# Allegro board LAY-28163.brd (continued)
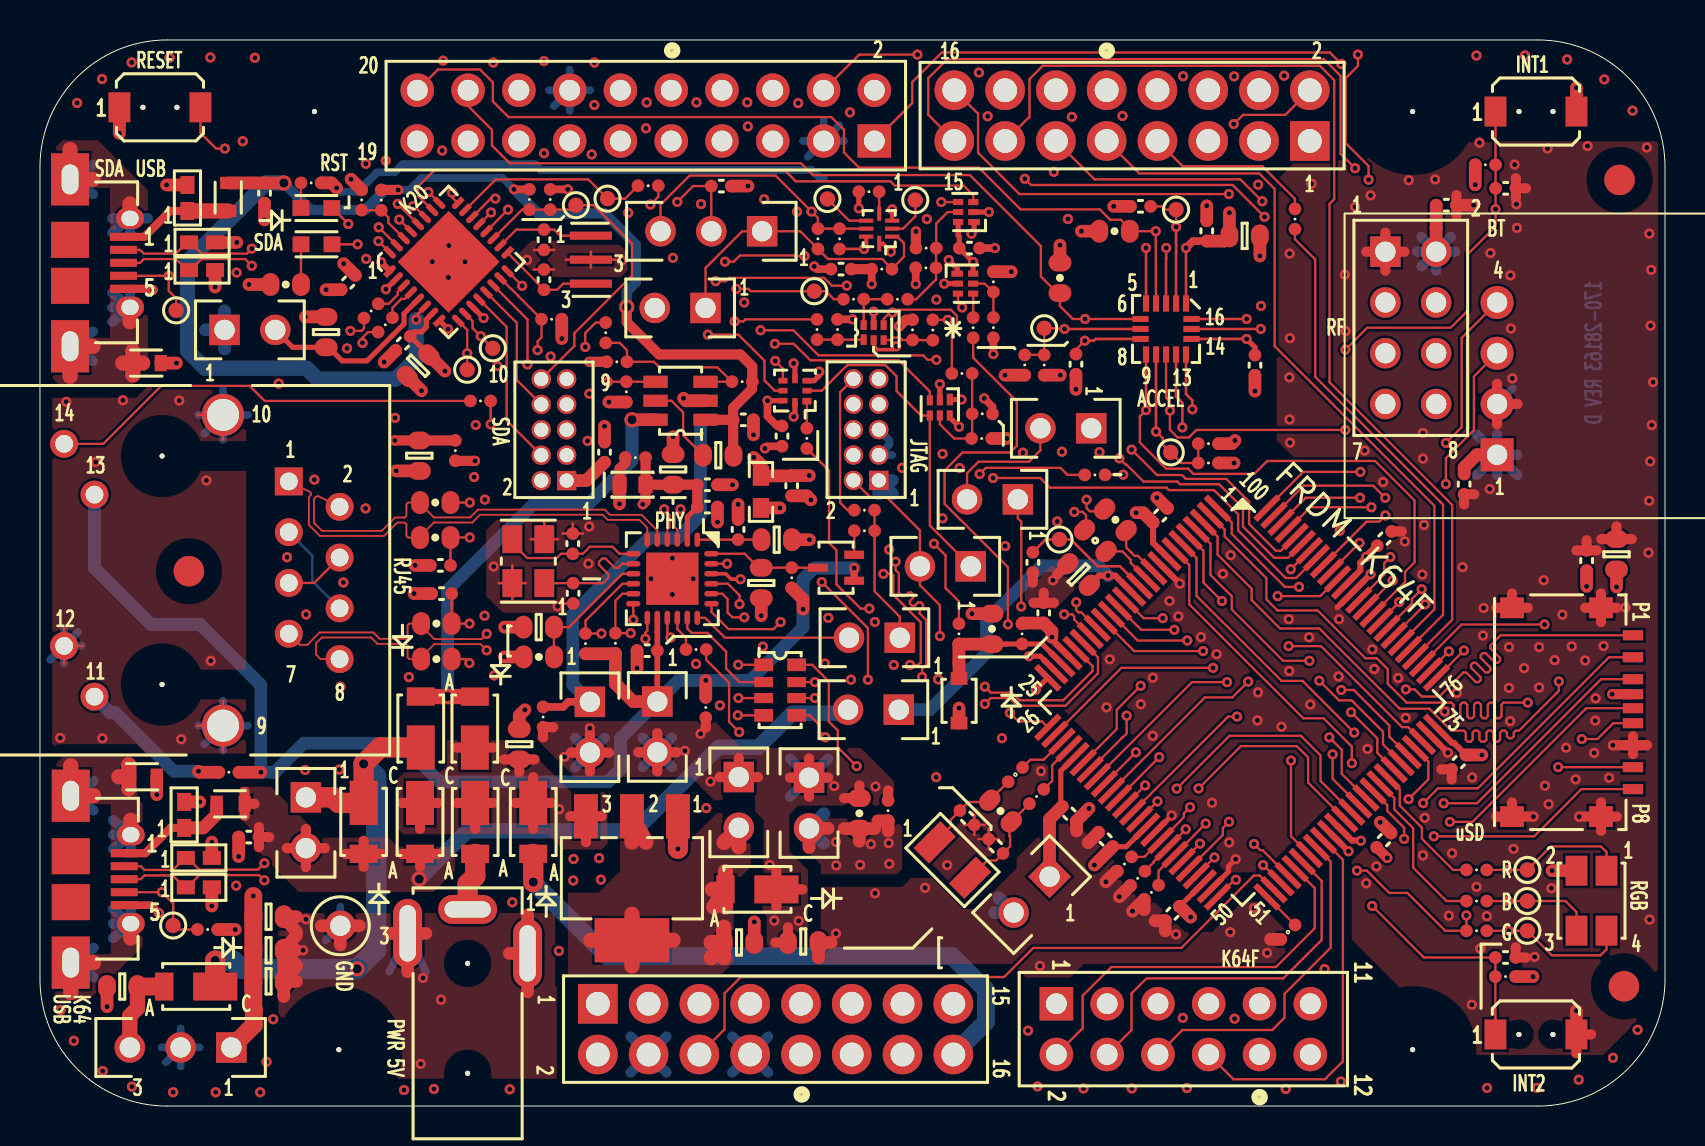
[diagram p0: board, top side]
## Footprints (pads in the part's own frame, mm; a bottom-side part is the same pattern mirrored in y, then rotated) (continued)
  rect 0.305x1.651 smd: 26(-6,-7.75) 27(-5.5,-7.75) 28(-5,-7.75) 29(-4.5,-7.75) 30(-4,-7.75) 31(-3.5,-7.75) 32(-3,-7.75) 33(-2.5,-7.75) 34(-2,-7.75) 35(-1.5,-7.75) 36(-1,-7.75) 37(-0.5,-7.75) 38(0,-7.75) 39(0.5,-7.75) 40(1,-7.75) 41(1.5,-7.75) 42(2,-7.75) 43(2.5,-7.75) 44(3,-7.75) 45(3.5,-7.75) 46(4,-7.75) 47(4.5,-7.75) 48(5,-7.75) 49(5.5,-7.75) 50(6,-7.75) 76(6,7.75) 77(5.5,7.75) 78(5,7.75) 79(4.5,7.75) 80(4,7.75) 81(3.5,7.75) 82(3,7.75) 83(2.5,7.75) 84(2,7.75) 85(1.5,7.75) 86(1,7.75) 87(0.5,7.75) 88(0,7.75) 89(-0.5,7.75) 90(-1,7.75) 91(-1.5,7.75) 92(-2,7.75) 93(-2.5,7.75) 94(-3,7.75) 95(-3.5,7.75) 96(-4,7.75) 97(-4.5,7.75) 98(-5,7.75) 99(-5.5,7.75) 100(-6,7.75)
POWERDI-123_3MMX2MM
  rect 0.914x1.397 smd: A(1.7,0)
  rect 2.21x1.397 smd: C(-0.85,0)
QFN5X3_0P5_3X3
  rect 0.813x0.305 smd: 1(-1.275,1) 2(-1.275,0.5) 3(-1.275,0) 4(-1.275,-0.5) 5(-1.275,-1) 9(1.275,-1) 10(1.275,-0.5) 11(1.275,0) 12(1.275,0.5) 13(1.275,1)
  rect 0.305x0.813 smd: 6(-0.5,-1.275) 7(0,-1.275) 8(0.5,-1.275) 14(0.5,1.275) 15(0,1.275) 16(-0.5,1.275)
QFN8_1P6X1P6MM
  rect 0.457x0.33 smd: 1(-0.6,0.525)
  rect 0.457x0.279 smd: 2(-0.6,0) 3(-0.6,-0.5) 5(0.6,-0.5) 6(0.6,0) 7(0.6,0.5)
  rect 0.279x0.457 smd: 4(0,-0.6) 8(0,0.6)
QFN24_4X4MM_SLUG
  oval 0.279x0.711 smd: 1(-1.25,-1.956) 2(-0.75,-1.956) 3(-0.25,-1.956) 4(0.25,-1.956) 5(0.75,-1.956) 6(1.25,-1.956) 13(1.25,1.956) 14(0.75,1.956) 15(0.25,1.956) 16(-0.25,1.956) 17(-0.75,1.956) 18(-1.25,1.956)
  oval 0.711x0.279 smd: 7(1.956,-1.25) 8(1.956,-0.75) 9(1.956,-0.25) 10(1.956,0.25) 11(1.956,0.75) 12(1.956,1.25) 19(-1.956,1.25) 20(-1.956,0.75) 21(-1.956,0.25) 22(-1.956,-0.25) 23(-1.956,-0.75) 24(-1.956,-1.25)
  rect 2.616x2.616 smd: 25(0,0)
QFN32_S142EP
  custom 0.711x0.279 smd: 1(-2.4,1.751) 2(-2.4,1.251) 3(-2.4,0.751) 4(-2.4,0.25) 5(-2.4,-0.25) 6(-2.4,-0.751) 7(-2.4,-1.251) 8(-2.4,-1.751) 17(2.4,-1.751) 18(2.4,-1.251) 19(2.4,-0.751) 20(2.4,-0.25) 21(2.4,0.25) 22(2.4,0.751) 23(2.4,1.251) 24(2.4,1.751)
  custom 0.279x0.711 smd: 9(-1.751,-2.4) 10(-1.251,-2.4) 11(-0.751,-2.4) 12(-0.25,-2.4) 13(0.25,-2.4) 14(0.751,-2.4) 15(1.251,-2.4) 16(1.751,-2.4) 25(1.751,2.4) 26(1.251,2.4) 27(0.751,2.4) 28(0.25,2.4) 29(-0.25,2.4) 30(-0.751,2.4) 31(-1.251,2.4) 32(-1.751,2.4)
  rect 3.607x3.607 smd: 33(0,0)
RC0402_25
  round 0.635 smd: 1(-0.508,0) 2(0.508,0)
RC0603_OV
  oval 0.889x1.143 smd: 1(-0.762,0) 2(0.762,0)
RNET_38V_0603
  rect 0.94x0.635 smd: 1(-0.825,1.263) 4(-0.825,-1.263) 5(0.825,-1.263) 8(0.825,1.263)
  rect 0.94x0.508 smd: 2(-0.825,0.4) 3(-0.825,-0.4) 6(0.825,-0.4) 7(0.825,0.4)
SH0603
  rect 0.991x0.813 smd: 1(-0.8,0) 2(0.8,0)
SH_HDR102_BOTTOM
  rect 1.524x1.524 hole 1.016: 1(0,0)
  round 1.524 hole 1.016: 2(0,-2.54)
SOD-323-A
  rect 0.635x0.838 smd: A(1.115,0) C(-1.115,0)
SOT23-6_A
  rect 1.219x0.61 smd: 1(-1.25,0.95) 2(-1.25,0) 3(-1.25,-0.95) 4(1.25,-0.95) 5(1.25,0) 6(1.25,0.95)
SOT223
  rect 1.194x2.21 smd: 1(-2.3,-3.1) 2(0,-3.1) 3(2.3,-3.1)
  rect 3.734x2.21 smd: 4(0,3.1)
SOT323_3P
  rect 0.406x0.991 smd: 1(-0.65,-0.907) 2(0.65,-0.907) 3(0,0.907)
SW2_4X3MM_SM
  round 0.254 hole 0.711 unplated: (-0.85,0) (0.85,0)
  rect 1.092x1.499 smd: 1(-2.025,0) 2(2.025,0)
TEST_LOOP
  round 1.524 hole 1.016: 1(0,0)
TPAD_030
  round 0.762 smd: 1(0,0)
UDFN6_1X1P5MM
  rect 0.584x0.305 smd: 1(-0.418,0.5)
  rect 0.508x0.305 smd: 2(-0.38,0) 3(-0.38,-0.5) 4(0.38,-0.5) 5(0.38,0) 6(0.38,0.5)
ULLGA6_1P45X1_0P5MM
  rect 0.533x0.305 smd: 1(-0.355,0.5)
  rect 0.483x0.305 smd: 2(-0.375,0) 3(-0.375,-0.5) 4(0.375,-0.5) 5(0.375,0) 6(0.375,0.5)
unnamed#2
  round 1.524 smd: (0,0)
unnamed#3
  round 0.254 hole 3.175 unplated: (0,0)
XQFN8_1P45X1P25MM
  rect 0.787x0.203 smd: 1(-0.75,0)
  rect 0.203x0.711 smd: 2(-0.4,-0.65) 3(0,-0.65) 4(0.4,-0.65) 6(0.4,0.65) 7(0,0.65) 8(-0.4,0.65)
  rect 0.711x0.203 smd: 5(0.75,0)
XTAL2-3P2X1P5-SM
  rect 1.092x1.905 smd: 1(-1.25,0) 2(1.25,0)
XTAL3_3P35X1P45_SM
  rect 0.406x2.108 smd: 1(1.2,0) 2(0,0) 3(-1.2,0)
XTAL4_3P4X2P7
  rect 1.397x0.991 smd: 1(-1.1,-0.8) 2(1.1,-0.8) 3(1.1,0.8) 4(-1.1,0.8)

## Nets
GND: C1.2 C2.2 C3.2 C4.2 C5.2 C6.2 C7.2 C8.2 C9.2 C10.2 C11.2 C12.2 C13.2 C14.2 C15.2 C16.2 C17.2 C18.2 C20.2 C21.2 C22.2 C23.2 C24.2 C25.2 C26.2 C27.2 C28.2 C29.2 C30.2 C31.2 C32.2 C33.2 C34.2 C35.2 C36.2 C37.2 C38.2 C39.2 C40.2 C41.2 C42.2 C43.2 C44.2 C45.2 C46.2 C47.2 C48.2 C49.2 C50.2 C51.2 C52.2 C53.2 C54.2 C55.2 C56.2 C57.2 C58.2 C59.2 D4.A(ANODE) J2.3 J2.14 J3.12 J3.14 J6.1(A1) J9.3(A2) J9.5(A3) J10.3(A2) J10.5(A3) J13.9(SH1) J13.10(SH2) J13.12(L2) J15.P6(VSS) J15.S1 J15.S2 J15.S3 J15.S4 J22.5(P5) J24.2 J24.3 J26.5(P5) J27.2 J199.2 L2.2 L4.2 R6.2 R7.2 R13.2 R16.2 R30.2 R31.2 R39.2 R43.2 R58.2 R67.2 R69.2 R70.2 R72.2 R74.2 SW1.1(SW1) SW2.2(SW2) SW3.2(SW2) TP16.1(PIN1) U1.2(A2) U2.2(GND) U3.4(GND) U4.2(A2) U5.2(VSS1) U5.8(VSSA) U5.33(EPAD) U6.2(A2) U7.2(GND) U8.3(RSVD1) U8.5(GND1) U8.12(GND2) U8.13(RSVD2) U8.16(RST) U9.2(GND) U10.3(DIR) U10.4(GND) U11.2(GND) U12.2(GND) U13.22(GND1) U13.25(GND2) U14.9(VSS1) U14.24(VREFL) U14.25(VSSA) U14.41(VSS2) U14.49(VSS3) U14.60(VSS4) U14.74(VSS5) U14.88(VSS6) U15.2(A2) U16.2(A2) U17.1(GND) U18.2(A2) Y1.2 Y2.2 Y2.4
P3V3: C4.1 C5.1 C14.1 C30.1 C32.1 C40.1 C57.1 C58.1 D11.C D12.2(COMMON_A) J3.4 J3.8 J6.2(B1) J15.P4(VDD) J17.2 J18.2 J19.1 J20.1 J199.1 L3.1 R1.1 R9.1 R15.1 R32.1 R40.1 R42.1 R60.1 R61.1 R64.1 R66.1 R75.1 SH1.2 U8.1(VDDIO) U8.14(VDD)
P3V3_K64F: C25.1 C27.1 C37.1 C42.1 C46.1 C47.1 C49.1 J9.1(A1) J20.2 J23.2 R52.1 R54.1 R64.2 R66.2 U14.8(VDD1) U14.22(VDDA) U14.40(VDD2) U14.48(VDD3) U14.61(VDD4) U14.75(VDD5) U14.89(VDD6)
P3V3_SDA: C8.1 C10.1 C12.1 C15.1 C17.1 C18.1 J7.1 J10.1(A1) J18.1 R4.2 R12.1 R14.1 R17.1 R21.1 R23.1 R26.1 R27.2 R35.1 R37.1 R61.2 U2.1(VCCA) U3.1(VCCA) U5.1(VDD1) U5.7(VDDA) U5.11(VBAT) U7.1(VCCA) U9.5(VCC) U10.7(VCCA) U12.1(VCCA)
P3V3_VREG: C51.1 D11.A J19.2 U17.2(VOUT) U17.4(TAB)
P5V0_SDA_USB_CONN_VBUS: J26.1(P1) L1.1 U1.1(A1)
P5V0_USB_CONN_VBUS: J22.1(P1) L5.1 U15.1(A1)
P5V_K64_USB: C45.1 D7.A D8.A J16.2 J21.2 L5.2
P5V_OPT_VR: C53.1 D13.A J27.3
P5V_SDA: C1.1 C16.1 C19.1 L1.2 R5.1 R8.1 R34.1 U5.6(VREGIN) U11.1(VIN)
P5V_SDA_PSW: D5.A D6.A U11.6(VOUT)
P5V_USB: D5.C D7.C D13.C J3.10 J21.1
VBAT: C43.1 J23.1 U14.30(VBAT)
VDDA_ENET: C21.1 C22.1 C24.1 L3.2 R41.1 R42.2 U13.2(VDDA_3V3)
VDDIO_ENET: C39.1 D3.1(CATHODE1) J13.13(L3) J17.1 R50.1 R55.1 R56.1 R60.2 R76.1 U13.14(VDDIO)
VDDPLL_1.2V: C26.1 C28.1 U13.1(VDD_1V2)
ADC0_DM0/ADC1_DM3: J2.7 U14.19(ADC0_DM0/ADC1_DM3)
ADC0_DM1: J4.3(A2) U14.15(ADC0_DM1)
ADC0_DP0/AD1_DP3: J2.5 U14.18(ADC0_DP0/ADC1_DP3)
ADC0_DP1: J4.1(A1) U14.14(ADC0_DP1)
ADC1_DM0/ADC0_DM3: J2.13 U14.21(ADC1_DM0/ADC0_DM3)
ADC1_DM1: J4.7(A4) U14.17(ADC1_DM1)
ADC1_DP0/ADC0_DP3: J2.11 U14.20(ADC1_DP0/ADC0_DP3)
ADC1_DP1: J4.5(A3) U14.16(ADC1_DP1)
ADC1_SE18: J2.17 U14.26(VREF_OUT/CMP1_IN5/CMP0_IN5/ADC1)
AREF: J2.16 R53.2
CPU_PER_1_RST_B: J14.1 R45.2 R47.1
CRS_DV: RN1.1(PIN1) U13.15(CRS_RV/PHYAD1/PHYAD0)
DAC0_OUT: J4.11(A6) U14.27(DAC0_OUT/CMP1_IN3/ADC0_SE23)
DC_JACK: D9.A J24.1(PIN)
ENET1_CT: C20.1 J13.3(TCT) J13.6(RCT) R41.2
ENET1_RX+: J13.7(RD+) R51.1 U13.4(RXP)
ENET1_RX-: J13.8(RD-) R59.1 U13.3(RXM)
ENET1_TX+: J13.1(TD+) R48.1 U13.6(TXP)
ENET1_TX-: J13.2(TD-) R44.1 U13.5(TXM)
ENET_1_RX_RDIV: C36.1 R51.2 R59.2
ENET_1_TX_RDIV: C31.1 R44.2 R48.2
EXTAL32_RTC: R63.1 U14.29(EXTAL32)
EXTAL_32.768KHZ: C48.1 R63.2 R65.1 Y3.2
FXOS8700CQ_CRST: C13.1 U8.8(CRST)
FXOS8700CQ_I2C_SA0: R31.1 R32.2 TP8.1(PIN1) U8.7(SA0/MISO)
FXOS8700CQ_I2C_SA1: R40.2 R43.1 TP11.1(PIN1) U8.10(SA1/C\S\)
I2S_MCLK: J1.7 R79.1
K64_MICRO_USB_DN: R49.2 U14.11(USB0_DM)
K64_MICRO_USB_DP: R46.2 U14.10(USB0_DP)
LED1/SPEED: R36.1 U13.23(LED0/ANEN_SPEED)
LED2_LINK: J13.11(L1) R76.2
LEDRGB_BLUE: D12.3(BLUE_C) R71.1 TP14.1(PIN1)
LEDRGB_GREEN: D12.4(GREEN_C) R73.1 TP17.1(PIN1)
LEDRGB_RED: D12.1(RED_C) R68.2 TP13.1(PIN1)
LVLRST_EN: R4.1 U3.5(OE)
MIC2005_CSLEW: C19.2 U11.5(CSLEW)
MMA8451_BYP: C3.1 TP4.1(PIN1) U8.2(BYP)
NC1: J13.4(NC1#4) J13.5(NC1#5)
P5-9V_VIN: C50.1 C52.1 C54.1 D10.A J3.16 J27.1
P5-9V_VIN_VR: C41.1 D6.C D8.C D9.C D10.C U17.3(VIN)
PHY_RST_B: D3.2(CATHODE2) R47.2
POWER_EN: R29.1 U5.31(ADC0_SE7B/PTD6/SPI0_PCS3/UART0_)
PTA0: J2.2 J11.1 U14.34(PTA0/JTAG_TCLK/SWD_CLK/EZP_CLK/)
PTA1: J1.8 U14.35(PTA1/JTAG_TDI/EZP_DI/UART0_RX/F)
PTA2: J1.12 R80.2 U14.36(PTA2/JTAG_TDO/TRACE_SWO/EZP_DO/)
PTA3: J9.2(B1) J12.2 U14.37(PTA3/JTAG_TMS/SWD_DIO/U\A\R\T\0)
PTA4: C55.1 R75.2 SW3.1(SW1) U14.38(PTA4/LLWU_P3/N\M\I\/E\Z\P\_\C\S)
PTA5: RN1.7(PIN7) U14.39(PTA5/USB_CLKIN/FTM0_CH2/RMII0_R)
PTA12: R67.1 RN1.6(PIN6) U14.42(PTA12/CMP2_IN0/CAN0_TX/FTM1_CH0)
PTA13: R69.1 RN1.5(PIN5) U14.43(PTA13/LLWU_P4/CMP2_IN1/CAN0_RX/)
PTA14: R70.1 RN1.8(PIN8) U14.44(PTA14/SPI0_PCS0/UART0_TX/RMII0_)
PTA15: U13.19(TXEN) U14.45(PTA15/SPI0_SCK/UART0_RX/RMII0_T)
PTA16: U13.20(TXD0) U14.46(PTA16/SPI0_SOUT/U\A\R\T\0\_\C\T)
PTA17: U13.21(TXD1) U14.47(PTA17/ADC1_SE17/SPI0_SIN/U\A\R\)
PTB0: R56.2 U13.10(MDIO) U14.53(PTB0/LLWU_P5/ADC0_SE8/ADC1_SE8/)
PTB1: R55.2 U13.11(MDC) U14.54(PTB1/ADC0_SE9/ADC1_SE9/I2C0_SDA)
PTB2: J4.2(B1) U14.55(PTB2/ADC0_SE12/I2C0_SCL/U\A\R\T)
PTB3: J4.4(B2) U14.56(PTB3/ADC0_SE13/I2C0_SDA/U\A\R\T)
PTB9: J1.6 U14.57(PTB9/SPI1_PCS1/U\A\R\T\3\_\C\T\)
PTB10: J4.6(B3) U14.58(PTB10/ADC1_SE14/SPI1_PCS0/UART3)
PTB11: J4.8(B4) U14.59(PTB11/ADC1_SE15/SPI1_SCK/UART3_)
PTB16: R24.2 U14.62(PTB16/SPI1_SOUT/UART0_RX/FTM_CL)
PTB17: R38.2 U14.63(PTB17/SPI1_SIN/UART0_TX/FTM_CLK)
PTB18: J1.1 U14.64(PTB18/CAN0_TX/FTM2_CH0/I2S0_TX_)
PTB19: J1.3 U14.65(PTB19/CAN0_RX/FTM2_CH1/I2S0_TX_)
PTB20: J4.9(A5) U14.66(PTB20/SPI2_PCS0/FB_AD31/CMP0_OU)
PTB21: R71.2 U14.67(PTB21/SPI2_SCK/FB_AD30/CMP1_OUT)
PTB22: R68.1 U14.68(PTB22/SPI2_SOUT/FB_AD29/CMP2_OU)
PTB23: J1.10 U14.69(PTB23/SPI2_SIN/SPI0_PCS5/FB_AD2)
PTC0: J1.11 U14.70(PTC0/ADC0_SE14/SPI0_PCS4/PDB0_E)
PTC1: J1.5 U14.71(PTC1/LLWU_P6/ADC0_SE15/SPI0_PCS)
PTC2: J1.14 U14.72(PTC2/ADC0_SE4B/CMP1_IN0/SPI0_PC)
PTC3: J1.16 U14.73(PTC3/LLWU_P7/CMP1_IN1/SPI0_PCS1)
PTC4: J2.4 U14.76(PTC4/LLWU_P8/SPI0_PCS0/UART1_TX)
PTC5: J1.15 U14.77(PTC5/LLWU_P9/SPI0_SCK/LPTMR0_AL)
PTC6: C56.1 R1.2 SW2.1(SW1) U8.11(INT1) U14.78(PTC6/LLWU_P10/CMP0_IN0/SPI0_SOU)
PTC7: J1.13 U14.79(PTC7/CMP0_IN1/SPI0_SIN/USB_SOF_)
PTC8: R79.2 U14.80(PTC8/ADC1_SE4B/CMP0_IN2/FTM3_CH)
PTC9: J1.9 U14.81(PTC9/ADC1_SE5B/CMP0_IN3/FTM3_CH)
PTC10: J4.12(B6) U14.82(PTC10/ADC1_SE6B/I2C1_SCL/FTM3_C)
PTC11: J4.10(B5) U14.83(PTC11/LLWU_P11/ADC1_SE7B/I2C1_S)
PTC12: J6.3(A2) U14.84(PTC12/U\A\R\T\4\_\R\T\S\/FB_AD2)
PTC13: U8.9(INT2) U14.85(PTC13/U\A\R\T\4\_\C\T\S\/FB_AD2)
PTC14: J199.3 U14.86(PTC14/UART4_RX/FB_AD25)
PTC15: J199.4 U14.87(PTC15/UART4_TX/FB_AD24)
PTC16: J1.2 U14.90(PTC16/UART3_RX/ENET0_1588_TMR0/)
PTC17: J1.4 U14.91(PTC17/UART3_TX/ENET0_1588_TMR1/)
PTC18: J6.8(B4) U14.92(PTC18/U\A\R\T\3\_\R\T\S\/ENET0_)
PTD0: J2.6 U14.93(PTD0/LLWU_P12/SPI0_PCS0/U\A\R\T)
PTD1: J2.12 U14.94(PTD1/ADC0_SE5B/SPI0_SCK/U\A\R\T)
PTD2: J2.8 U14.95(PTD2/LLWU_P13/SPI0_SOUT/UART2_R)
PTD3: J2.10 U14.96(PTD3/SPI0_SIN/UART2_TX/FTM3_CH3)
PTD4: J6.4(B2) U14.97(PTD4/LLWU_P14/SPI0_PCS1/U\A\R\T)
PTD5: J6.5(A3) U14.98(PTD5/ADC0_SE6B/SPI0_PCS2/U\A\R\)
PTD6: J6.6(B3) U14.99(PTD6/LLWU_P15/ADC0_SE7B/SPI0_PC)
PTD7: J6.7(A4) U14.100(PTD7/CMT_IRO/UART0_TX/FTM0_CH7/)
PTE0: J15.P8(DAT1) U14.1(PTE0/CLKOUT32K/ADC1_SE4A/SPI1_P)
PTE1: J15.P7(DAT0) U14.2(PTE1/LLWU_P0/ADC1_SE5A/SPI1_SOU)
PTE2: J15.P5(CLK) U14.3(PTE2/LLWU_P1/ADC0_DP2/ADC1_SE6A)
PTE3: J15.P3(CMD) U14.4(PTE3/ADC0_DM2/ADC1_SE7A/SPI1_SI)
PTE4: J15.P2(CD/DAT3) U14.5(PTE4/LLWU_P2/SPI1_PCS0/UART3_TX)
PTE5: J15.P1(DAT2) U14.6(PTE5/SPI1_PCS2/UART3_RX/SDHC0_D)
PTE6: J15.G1(SWITCH) U14.7(PTE6/SPI1_PCS3/U\A\R\T\3\_\C\T\)
PTE24: J2.20 R9.2 U8.4(SCL/SCLK) U14.31(PTE24/ADC0_SE17/UART4_TX/I2C0_S)
PTE25: J2.18 R15.2 U8.6(SDA/MOSI) U14.32(PTE25/ADC0_SE18/UART4_RX/I2C0_S)
PTE26: J2.1 R73.2 U14.33(PTE26/CLKOUT32K/ENET_1588_CLKIN)
REXT: C38.1 R58.1 U13.9(REXT)
RMII0_INT_B: J14.2 U13.18(INTRP)
RMII_RXCLK: R57.1 U14.50(PTA18/EXTAL0/FTM0_FLT2/FTM_CLKI)
RMII_XTALI: C35.1 U13.8(XI) Y2.1
RMII_XTALO: C29.1 U13.7(XO) Y2.3
RST_TGTMCU_B: D1.C(CATHODE) J3.6 J9.10(B5) J25.3 R10.2 R11.2 R45.1 U3.7(B1) U14.52(R\E\S\E\T\)
RXCLK: R57.2 U13.16(REF_CLK)
RXD0: RN1.4(PIN4) U13.13(RXD0)
RXD1: RN1.3(PIN3) U13.12(RXD1)
SDA_EXTAL: C9.1 U5.17(EXTAL0/PTA18/FTM0_FLT2/FTM_CLKI) Y1.3
SDA_JTAG_TCLK: J10.4(B2) U5.12(JTAG_TCLK/SWD_CLK/EZP_CLK/TSI0_)
SDA_JTAG_TDI: J10.8(B4) U5.13(JTAG_TDI/EZP_DI/TSI0_CH2/PTA1/U)
SDA_JTAG_TDO: J10.6(B3) U5.14(JTAG_TDO/TRACE_SWO/EZP_DO/TSI0_)
SDA_JTAG_TMS: J10.2(B1) R21.2 U5.15(JTAG_TMS/SWD_DIO/TSI0_CH4/PTA3/)
SDA_LED: D2.C(CATHODE) U5.29(PTD4/SPI0_PCS1/U\A\R\T\0\_\R\T\)
SDA_LED_R: D2.A(ANODE) R17.2
SDA_RST: J10.10(B5) R5.2 R6.1 TP5.1(PIN1) U5.19(R\E\S\E\T\)
SDA_RST_LED: D1.A(ANODE) R2.2
SDA_RST_TGTMCU_B: J5.2 U5.21(ADC0_SE9/TSI0_CH6/PTB1/I2C0_SDA)
SDA_RST_TGTMCU_J_B: J5.1 J25.1 R10.1 R14.2 U3.2(A1)
SDA_RX_EN: R16.1 R23.2 U7.5(DIR)
SDA_SPI0_CS: R3.2 TP1.1(PIN1) U5.23(ADC0_SE4B/CMP1_IN0/TSI0_CH15/PT)
SDA_SPI0_RST_B: R18.2 TP6.1(PIN1) U5.22(ADC0_SE15/TSI0_CH14/PTC1/SPI0_P)
SDA_SPI0_SCK: U2.3(A) U5.26(PTC5/SPI0_SCK/LPTMR0_ALT2/I2S0_)
SDA_SPI0_SIN: U5.28(CMP0_IN1/PTC7/SPI0_SIN/USB_SOF_) U10.5(2A)
SDA_SPI0_SOUT: U5.27(CMP0_IN0/PTC6/SPI0_SOUT/PDB0_EX) U12.3(A)
SDA_SWD_EN: R18.1 R19.1 U9.6(Y\2\)
SDA_SWD_EN_B: R25.2 U5.16(N\M\I\/E\Z\P\_\C\S\/TSI0_CH5/PT)
SDA_SWD_EN_B_R: R25.1 R26.2 U9.1(A1)
SDA_SWD_EN_R: R12.2 R13.1 R19.2 U2.5(DIR)
SDA_SWD_OE: R3.1 R33.1 U9.4(Y\1\)
SDA_SWD_OE_B: R28.2 U5.20(ADC0_SE8/TSI0_CH0/PTB0/I2C0_SCL)
SDA_SWD_OE_B_R: R27.1 R28.1 U9.3(A2)
SDA_SWD_OE_R: R33.2 R37.2 R39.1 U12.5(DIR)
SDA_USB_CONN_DN: J26.2(P2) R22.1 U4.1(A1)
SDA_USB_CONN_DP: J26.3(P3) R20.1 U6.1(A1)
SDA_USB_DN: R22.2 U5.4(USB0_DM)
SDA_USB_DP: R20.2 U5.3(USB0_DP)
SDA_USB_P5V_SENSE: R7.1 R8.2 U5.30(ADC0_SE6B/PTD5/SPI0_PCS2/U\A\R\)
SDA_USBSHIELD: J26.S1(SHLD1) J26.S2(SHLD2) J26.S3(SHLD3) J26.S4(SHLD4) L2.1
SDA_VOUT33: C11.1 J7.2 U5.5(VOUT33)
SDA_XTAL: C6.1 U5.18(XTAL0/PTA19/FTM1_FLT0/FTM_CLKIN) Y1.1
SHIELD_K64USB: J22.S1(SHLD1) J22.S2(SHLD2) J22.S3(SHLD3) J22.S4(SHLD4) L4.1
SW1_RST_B: C2.1 J25.2 SW1.2(SW2)
SWD_CLK_TGTMCU: J8.2 J9.4(B2) J11.2
SWD_CLK_TGTMCU_BUF: J8.1 U2.4(B)
SWD_DIO_TGTMCU_BUF: J12.1 U10.2(2B) U12.4(B)
TC_EXTAL_TP: TP9.1(PIN1) U5.10(EXTAL32)
TC_SDA_USB_ID_TP: J26.4(P4) TP7.1(PIN1)
TC_USB_ID_TP: J22.4(P4) R72.1 TP15.1(PIN1)
TC_XTAL_TP: TP10.1(PIN1) U5.9(XTAL32)
TP_2102_A: TP3.1(PIN1) U3.3(A2)
TP_2102_B: TP2.1(PIN1) U3.6(B2)
TRACE_SWO: J9.6(B3) R80.1
UART1_RX_TGTMCU_BUF: R24.1 U7.4(B)
UART1_RX_TGTMCU_R: U5.25(PTC4/SPI0_PCS0/UART1_TX/FTM0_CH) U7.3(A)
UART1_TX_TGTMCU_BUF: R38.1 U10.1(1B)
UART1_TX_TGTMCU_R: U5.24(CMP1_IN1/PTC3/SPI0_PCS1/UART1_R) U10.6(1A)
USB_CONN_DN: J22.2(P2) R49.1 U16.1(A1)
USB_CONN_DP: J22.3(P3) R46.1 U18.1(A1)
V_TGTMCU: C7.1 C23.1 R2.1 R11.1 SH1.1 U2.6(VCCB) U3.8(VCCB) U7.6(VCCB) U10.8(VCCB) U12.6(VCCB)
VOUT33_K64: C59.1 TP12.1(PIN1) U14.12(VOUT33)
VREFH: D4.C(CATHODE) R52.2 R53.1 R54.2 U14.23(VREFH)
VREGIN_K64: C33.1 J16.1 U14.13(VREGIN)
VTRG_EN: R29.2 R30.1 R34.2 U11.3(ENABLE)
VTRG_FAULT_B: R35.2 U5.32(PTD7/CMT_IRO/UART0_TX/FTM0_CH7/) U11.4(F\A\U\L\T\)
XTAL32_RTC: R62.1 U14.28(XTAL32)
XTAL_32.768KHZ: C44.1 R62.2 R65.2 Y3.1
XTAL_K64_MAIN: R74.1 U14.51(PTA19/XTAL0/FTM1_FLT0/FTM_CLKIN)
N20614543: C34.1 D3.3(COM_ANODE) R50.2 U13.24(R\S\T\)
N20654921: RN1.2(PIN2) U13.17(RXER)
N20657567: J13.14(L4) R36.2

Pads without a net: J2 9 15 19; J3 1 2 3 5 7 9 11 13 15; J9 7 8 9; J10 7 9; U8 15

## Via types
v1: diameter 0.508, hole 0.254, TOP to BOTTOM, 635 vias
v2: diameter 0.762, hole 0.457, TOP to BOTTOM, 9 vias

## Routing (per net, layer and track width the routed paths; a pad name or vN(x,y) marks a point on that pad's centre or on a via; arc(x,y) is an arc through that point)
GND: length 318.2
  TOP w0.127: 24.54,28.36 Y2.2 ; Y2.2 25.22,29.25 ; Y2.2 25.91,28.36 ; C29.2 27.16,28.65 ; C29.2 26.14,28.65 ; C29.2 26.65,29.15 ; U8.3 56.32,42.43 56.33,42.44 v1(56.33,42.93) ; Y1.2 28.8,42.35 ; Y1.2 27.55,42.74 ; Y1.2 26.31,42.35 ; Y1.2 27.55,41.95 ; U8.5 v1(55.32,42.93) ; C44.2 47.24,14.07 ; C44.2 46.73,14.58 ; C44.2 46.22,14.07 ; C44.2 46.73,13.56 ; 23.62,25.27 Y2.4 ; Y2.4 23.62,27.05 ; Y2.4 24.31,26.16 ; Y2.4 22.94,26.16 ; 24.7,42.83 C6.2 25.72,42.83 ; 47.45,12.85 C48.2 ; C48.2 47.45,13.87 ; C48.2 47.96,13.36 ; C48.2 46.94,13.36 ; 24.7,41.85 C9.2 25.72,41.85 ; 7.91,19.03 J13.9 ; J13.9 9.16,17.79 ; J13.9 9.16,20.28 ; v1(57.14,33.96) 57.14,35.19 56.82,35.5 U8.12 ; 1.21,22.13 J13.12 ; J13.12 2.1,23.02 ; J13.12 1.21,23.91 ; 9.16,33.34 J13.10 7.91,34.58 ; 26.16,25.15 C35.2 ; U8.16 v1(60.35,39.38) ; v1(57.64,34.86) 57.64,35.3 57.32,35.62 U8.13
  TOP w0.178: U9.2 41.7,38.04 41.89,37.85 42.66,37.85 v1(42.83,38.01) ; U13.22 34.3,26.63 34.57,26.36 v1(35.04,26.36)
  TOP w0.203: U3.4 v1(42.63,44.86)
  TOP w0.254: U5.2 17.86,41.42 v1(17.3,40.87) ; U14.41 v1(56.6,14.54) ; v1(38.98,36.75) 38.98,36.55 38.72,36.29 38.36,36.29 U10.3 ; U7.2 v1(45.23,41.15) ; U5.8 v1(20.41,38.88) ; v1(59.81,12.35) 59.45,11.99 59.45,11.73 U14.49 ; U2.2 v1(47.46,44.73) ; U14.24 50.03,22.51 v1(49.46,22.51) ; U12.2 v1(45.01,36.12) ; U14.25 v1(49.81,20.82) ; v1(37.69,37.16) 37.76,37.09 U10.4
  TOP w0.279: U14.88 64.89,24.95
  TOP w0.305: U14.74 v1(70.42,17.68) ; U14.88 v1(66.55,26.61) ; U14.60 v1(65.45,12.75) ; 56.06,27.08 v1(57.01,26.14)
  TOP w0.381: v1(43.8,41.13) R13.2 ; v1(38.73,42.01) 38.87,41.87 C8.2 ; R6.2 v1(26.4,45.86) ; C17.2 36.37,33.01 v1(36.26,32.9) ; v1(5.95,9.65) 5.55,10.05 J22.5 ; v1(47.76,42.93) C7.2
  TOP w0.406: v1(5.64,40.83) 5.38,40.83 5.33,40.89 J26.5
  TOP w0.508: 74.32,7.43 C55.2 73.81,7.94 ; 50.87,26.59 C33.2 ; J15.P6 v1(78.67,18.06) ; J15.P6 79.68,17.61 ; J15.P6 79.68,18.5 ; J15.P6 80.38,18.06 ; 77.59,3.58 SW3.2 76.85,2.64 ; J6.1 67.29,43.7 ; J6.1 68.25,42.75 ; J6.1 67.29,41.79 ; J6.1 66.34,42.75 ; C37.2 50.71,25.18 ; C37.2 50.2,25.69 ; C37.2 49.69,25.18 ; 77.29,24.93 J15.S1 ; J15.S1 78.08,24.22 ; J15.S1 78.08,25.64 ; J15.S1 78.87,24.93 ; J15.S3 v1(74.7,14.48) ; J15.S3 72.84,14.48 ; J15.S3 73.63,15.19 ; J199.2 72.88,36.14 ; J199.2 72.88,34.11 ; J199.2 73.9,35.13 ; C30.2 79.62,28.37 ; C30.2 78.09,28.37 ; C30.2 78.85,29 ; C56.2 73.82,46.43 ; C56.2 74.33,45.92 ; C56.2 73.82,45.41 ; C32.2 77.36,28.31 ; C32.2 77.87,27.8 ; C32.2 76.85,27.8 ; J15.S2 74.42,24.93 ; J15.S2 73.63,25.64 ; J15.S2 72.84,24.93 ; 70.85,44.56 C57.2 ; C57.2 70.85,45.58 ; C57.2 71.36,45.07 ; 49.66,26.18 C59.2 ; J15.S4 v1(76.99,14.48) ; J15.S4 78.08,15.19 ; J15.S4 78.87,14.48 ; J15.S4 78.08,13.77 ; 71.74,30.61 C58.2 71.23,30.1 ; C27.2 68.11,28.75 ; R30.2 v1(27.48,37.24) ; 70.1,16.85 C42.2 70.61,16.34
  TOP w0.635: 52.94,13.69 52.94,13.69 52.43,13.17 ; v1(53.31,11.22) 53.84,11.75 R67.2 ; C34.2 v1(36.08,24.53) ; C54.2 12.83,6.24 ; C54.2 12.83,7 ; C54.2 12.19,5.48 ; C54.2 C52.2 ; C14.2 v1(60.77,35.77) ; C45.2 v1(9.94,12.48) ; C1.2 v1(11.23,44.34) ; C10.2 v1(14.31,40.84) ; C41.2 23.97,19.54 v1(24.26,19.82) ; R58.2 v1(23.23,22.47) ; U6.2 v1(8.76,40.98) ; C23.2 38.36,30.53 v1(38.56,30.33) ; R31.2 v1(48.27,36.57) ; v1(17.21,37.22) 17.78,37.8 C12.2 ; C51.2 v1(35.73,9.21) ; TP16.1 15.97,9.02 ; TP16.1 14.07,9.02 ; TP16.1 15.02,8.07 ; L4.2 v1(5.84,15.58) ; 39.57,8.18 C40.2 38.94,7.42 ; C26.2 v1(34.92,30.1) ; 12.83,8.71 C50.2 12.83,9.47 ; v1(32.19,35.41) 32.31,35.29 U11.2 ; SW3.2 v1(76.85,4.78) ; C18.2 v1(28.24,34.01) ; L2.2 v1(6.82,37.17) ; R7.2 v1(15.56,46.37) ; R39.2 v1(48.36,33.4) ; J24.3 19.3,8.64 ; J24.3 18.39,6.72 ; J24.3 17.47,8.64 ; C25.2 v1(55.86,30.44) ; C31.2 v1(18.76,27.05) ; SW1.1 v1(3.97,48.66) ; C22.2 v1(34.64,31.08) ; D4.A v1(45.97,19.91) ; U4.2 8.76,43.21 v1(9.85,43.21) ; C36.2 v1(18.71,25.64) ; C47.2 v1(67.04,14.2) ; C20.2 v1(17.82,31.78) ; 56.28,8.76 C49.2 55.77,9.27 ; C24.2 v1(33.89,29.22) ; C4.2 v1(58.36,45.04) ; C52.2 12.83,7.03 ; C52.2 12.83,8.56 ; C52.2 12.83,7.79 ; 61.55,8.34 R74.2 ; 23.47,7.64 J24.2 ; J24.2 24.39,9.56 ; J24.2 24.39,5.72 ; U16.2 v1(8.6,13.2) ; C15.2 v1(19.08,35.79) ; C28.2 v1(38.49,28.34) ; C16.2 v1(35.69,33.58) ; R16.2 v1(48.59,41.74) ; v1(54.65,9.75) R70.2 55.23,9.82 ; v1(52.47,14.89) C43.2 51.85,13.76 ; U18.2 v1(8.6,10.01) ; C5.2 v1(61.02,42.53) ; U1.2 v1(6.33,46.08) ; C21.2 v1(31.67,33.49) ; C38.2 v1(23.24,23.96) ; C11.2 v1(13.27,39.49) ; U15.2 v1(7.99,15.22) ; R72.2 v1(9.77,8.83) ; SW2.2 v1(76.85,50.95) ; R69.2 v1(53.99,10.47) ; C39.2 v1(29.86,21.91) ; R43.2 v1(59.73,32.17) ; C57.2 v1(71.7,45.07) ; C3.2 v1(53.7,45.02) ; C53.2 v1(3.35,4.97) ; C2.2 v1(35.41,46.03) ; C13.2 v1(51.82,35.86)
  TOP w1.016: U17.1 v1(31.91,12.87)
  GND w0.127: J2.3 39.19,49.31 ; J2.3 40.22,48.29 ; J2.3 38.16,48.29 ; J2.3 39.19,47.26 ; J3.14 44.32,2.58 ; J3.14 43.14,3.76 ; J3.14 41.96,2.58 ; J3.14 43.14,1.4 ; 39.42,2.58 J3.12 ; J3.12 40.6,3.76 ; J3.12 41.78,2.58 ; J3.12 40.6,1.4 ; TP16.1 15.02,9.97 ; TP16.1 15.97,9.02 ; TP16.1 14.07,9.02 ; TP16.1 15.02,8.07 ; J13.9 9.16,20.28 ; J13.9 7.91,19.03 ; J13.9 9.16,17.79 ; J13.9 10.4,19.03 ; J24.2 24.39,9.56 ; J24.2 23.47,7.64 ; J24.2 25.3,7.64 ; J24.2 24.39,5.72 ; J10.3 27.02,32.57 ; 18.39,6.72 J24.3 ; J24.3 17.47,8.64 ; J24.3 19.3,8.64 ; J24.3 18.39,10.56 ; 72.88,34.11 J199.2 ; J199.2 72.88,36.14 ; J199.2 73.9,35.13 ; J199.2 71.86,35.13 ; J2.14 27.52,50.83 ; J2.14 25.46,50.83 ; J2.14 26.49,49.8 ; J2.14 26.49,51.85 ; J13.12 2.1,23.02 ; J13.12 1.21,22.13 ; J13.12 1.21,23.91 ; 67.29,41.79 J6.1 ; J6.1 67.29,43.7 ; J6.1 68.25,42.75 ; J6.1 66.34,42.75 ; 9.16,33.34 J13.10 ; J13.10 7.91,34.58 ; J13.10 10.4,34.58 ; J13.10 9.16,35.83 ; 6.08,2.93 J27.2 ; J27.2 7.03,3.88 ; J27.2 7.99,2.93 ; J27.2 7.03,1.98 ; J9.3 42.63,32.57 ; J10.5 27.02,33.84 ; J9.5 42.63,33.84
  INT_1 w0.127: 7.91,19.03 J13.9 ; 6.08,2.93 J27.2 ; J27.2 7.03,3.88 ; J27.2 7.03,1.98 ; J27.2 7.99,2.93 ; 1.21,22.13 J13.12 ; J13.12 2.1,23.02 ; J13.12 1.21,23.91 ; 7.91,34.58 J13.10
  INT_1 w0.508: 42.24,3.48 J3.14 ; J3.14 44.04,3.48 ; J3.14 43.14,1.4 ; J3.14 42.24,1.68 ; 40.6,1.4 J3.12 ; J3.12 39.7,1.68 ; J3.12 41.5,3.48 ; J3.12 39.7,3.48 ; J24.2 25.3,9.56 ; J24.2 24.39,9.56 ; J24.2 25.3,7.64 ; J24.2 23.47,7.64 ; 19.3,8.64 J24.3 19.3,10.56
  BOTTOM w0.381: 42.5,33.11 J9.3 42.63,32.57 ; 18.39,6.72 J24.3 ; J24.3 17.47,6.72 ; J24.3 19.3,6.72 ; 25.7,50.03 J2.14 ; J2.14 26.49,49.8 ; J2.14 27.52,50.83 ; J2.14 25.46,50.83 ; J2.14 26.49,51.85 ; 14.07,9.02 TP16.1 ; TP16.1 14.28,8.28 ; TP16.1 15.02,9.97 ; TP16.1 15.02,8.07 ; TP16.1 15.97,9.02 ; 9.16,33.34 J13.10 ; J13.10 9.16,35.83 ; J13.10 10.4,34.58 ; J13.10 8.21,33.64 ; J13.10 7.91,34.58 ; 7.03,1.98 J27.2 ; J27.2 7.99,2.93 ; J27.2 6.08,2.93 ; J27.2 6.3,2.19 ; J27.2 7.03,3.88 ; J13.12 1.9,23.71 ; J13.12 2.1,23.02 ; J13.12 0.51,22.33 ; J13.12 1.21,22.13 ; J13.12 1.21,23.91 ; J2.3 39.98,49.08 ; J2.3 39.19,49.31 ; J2.3 38.4,47.49 ; J2.3 38.16,48.29 ; J2.3 40.22,48.29 ; J9.5 42.5,33.3 ; J13.9 9.16,20.28 ; J13.9 8.21,18.09 ; J13.9 9.16,17.79 ; J13.9 10.4,19.03 ; J13.9 7.91,19.03 ; J199.2 73.66,35.91 ; J199.2 73.9,35.13 ; J199.2 72.88,36.14
  vias: v1(1.01,18.42) v1(1.03,4.8) v1(1.32,35.24) v1(1.69,3.26) v1(1.86,50.19) v1(2.79,32.22) v1(3.11,51.38) v1(3.12,18.4) v1(3.14,1.75) v1(4.15,35.31) v1(4.58,52.21) v1(4.6,0.97) v1(6.48,52.45) v1(6.66,0.69) v1(6.96,35.3) v1(7.07,18.35) v1(8.32,31.3) v1(8.52,52.46) v1(8.54,22.28) v1(8.79,0.69) v1(9.83,41.7) v1(9.81,11.03) v1(10.14,48.28) v1(10.75,52.45) v1(11.02,0.69) v1(11.33,2.21) v1(11.66,4.34) v1(11.94,36.15) v1(12.36,27.46) v1(13.16,7.79) v1(13.26,16.81) v1(13.31,24.59) v1(13.3,9.34) v1(13.72,31.34) v1(14.97,16.84) v1(15.03,20.98) v1(15.17,26.2) v1(15.36,37.91) v1(16.3,47.14) v1(16.29,29.9) v1(16.31,42.39) v1(17.29,47.3) v1(17.76,34.43) v1(18.21,0.8) v1(18.45,21.46) v1(19.04,2.11) v1(19.16,6.41) v1(19.62,42.25) v1(19.71,0.85) v1(20.06,5.32) v1(20.16,52.3) v1(20.12,47.81) v1(20.45,43.06) v1(20.43,41.46) v1(21.26,42.24) v1(21.8,34.08) v1(21.71,31.47) v1(22.25,30.34) v1(22.24,24.53) v1(22.67,52.21) v1(22.69,26.99) v1(22.72,21.55) v1(22.88,37.03) v1(23.5,0.84) v1(23.62,10.19) v1(24.36,42.34) v1(25.21,52.28) v1(25.21,47.67) v1(25.54,37.5) v1(25.89,25) v1(25.95,7.76) v1(26.69,12.36) v1(26.67,11.28) v1(27.39,33.28) v1(27.48,35.64) v1(27.47,28.99) v1(27.43,27.14) v1(27.59,47.61) v1(27.73,52.21) v1(27.73,50.09) v1(27.97,12.4) v1(28.05,11.33) v1(29.1,42.31) v1(29.42,44.69) v1(30.35,50.22) v1(30.31,48.92) v1(30.56,26.38) v1(31.66,42.44) v1(31.63,27.41) v1(31.63,25.6) v1(32.67,26.38) v1(32.84,50.22) v1(32.82,22.12) v1(33.07,45.13) v1(33.33,14.91) v1(34.01,20.05) v1(35.22,40.21) v1(35.37,50.22) v1(35.41,49.01) v1(36.16,22.98) v1(36.22,45.37) v1(37.87,44.75) v1(37.92,50.18) v1(39.26,22.14) v1(39.43,24.42) v1(39.81,8.63) v1(40.51,49.72) v1(40.56,21.33) v1(41.76,24.22) v1(41.77,10.65) v1(42.48,27.84) v1(42.71,22.07) v1(43.12,31.93) v1(44.27,10.92) v1(44.36,44.38) v1(44.84,40.35) v1(44.83,16.45) v1(44.92,21.35) v1(45.14,32.63) v1(45.14,29.41) v1(45.38,12.05) v1(46,31.92) v1(46.96,51.71) v1(47.4,49.52) v1(48.12,18.4) v1(48.28,28.02) v1(49.16,32.69) v1(49.42,3.77) v1(49.9,0.98) v1(50.07,16.76) v1(50.02,7.01) v1(50.66,26.3) v1(50.71,46.74) v1(50.88,29.25) v1(51.11,32.74) v1(51.41,44.38) v1(51.61,49.49) v1(52.19,0.88) v1(52.99,32.72) v1(53.35,19.95) v1(53.5,22.35) v1(54.15,49.54) v1(54.61,0.88) v1(55.06,20.1) v1(55.66,21.43) v1(55.66,18.52) v1(56.5,25.27) v1(56.82,8.59) v1(56.94,24.5) v1(57.18,51.53) v1(57.16,4.41) v1(57.37,0.9) v1(58.07,23.46) v1(58.62,15.17) v1(58.85,22.61) v1(59.16,26.63) v1(59.48,13.19) v1(59.56,27.56) v1(59.54,8.7) v1(59.73,51.52) v1(59.75,4.37) v1(60.72,9.9) v1(60.89,19.29) v1(60.93,46.1) v1(60.92,20.7) v1(61.07,40.03) v1(61.38,7.66) v1(62.1,18.98) v1(62.23,51.55) v1(62.31,0.85) v1(62.49,36.46) v1(62.46,24.36) v1(62.48,21.77) v1(62.5,42.65) v1(62.51,38.42) v1(62.5,34.35) v1(62.52,33.19) v1(63.48,23.45) v1(63.54,20.09) v1(63.6,46.15) v1(64.25,6.85) v1(64.98,24.36) v1(64.95,21.49) v1(65.01,28.79) v1(65.07,1.23) v1(65.26,41.6) v1(65.3,38.77) v1(65.78,44.99) v1(66.26,32.79) v1(66.34,11.15) v1(66.4,17.87) v1(66.55,45.56) v1(66.64,22.85) v1(66.74,21.86) v1(66.85,11.99) v1(67.18,31.22) v1(67.93,21.42) v1(68.26,28.25) v1(68.31,19.42) v1(68.46,46.32) v1(69.17,33.68) v1(69.17,32.4) v1(69.14,26.59) v1(69.17,12.54) v1(69.23,29.07) v1(69.26,14.42) v1(69.78,46.37) v1(70.26,19.74) v1(70.47,9.52) v1(70.63,12.65) v1(70.86,20.67) v1(71.15,26.96) v1(71.63,16.44) v1(71.62,5.07) v1(71.85,52.56) v1(71.85,10.97) v1(72,48.2) v1(72.04,7.87) v1(72.17,23.54) v1(72.21,24.92) v1(72.37,9.5) v1(72.38,0.9) v1(72.55,42.68) v1(72.51,30.87) v1(73.48,22.96) v1(73.48,20.92) v1(73.55,41.56) v1(73.57,38.9) v1(73.54,19.26) v1(73.64,36.41) v1(73.76,47.1) v1(73.71,12.87) v1(73.85,45.12) v1(73.88,43.94) v1(74.27,52.56) v1(74.23,21.91) v1(74.76,7.46) v1(74.87,0.9) v1(74.98,22.96) v1(74.98,20.94) v1(75.21,26.31) v1(75.27,16.02) v1(75.4,47.91) v1(75.46,15.1) v1(75.6,10.9) v1(75.76,22.31) v1(76.14,24.58) v1(76.39,52.36) v1(76.33,17.93) v1(76.61,23) v1(76.81,16.34) v1(76.96,1.32) v1(77.28,22.29) v1(77.4,48.03) v1(77.79,19.29) v1(77.74,17.67) v1(77.81,20.4) v1(78.24,51.37) v1(78.21,23.01) v1(78.49,16.43) v1(78.68,2.42) v1(79.3,24.94) v1(79.66,49.8) v1(79.91,3.81) v1(80.37,47.96) v1(80.5,43.65) v1(80.49,30.28) v1(80.45,27.69) v1(80.59,41.84) v1(80.56,39.04) v1(80.54,32.26) v1(80.51,9.33) v1(80.68,36.22) v1(80.61,34.07)
P3V3: length 96.8
  TOP w0.127: U8.1 v1(57.32,42.93) ; U8.14 v1(60.35,38.38)
  TOP w0.254: C14.1 60.77,37.96 v1(60.35,38.38)
  TOP w0.381: C4.1 57.67,43.28 v1(57.32,42.93)
  TOP w0.508: D11.C 36.83,11.73 ; D11.C 38.13,10.84 ; D11.C 36.83,9.95 ; J18.2 28.46,17.68 ; J18.2 27.51,18.64 ; J18.2 26.55,17.68 ; J18.2 27.51,16.73 ; 40.22,15.41 R66.1 40.98,16.04 ; 33.3,18.93 R60.1 ; J17.2 30.88,18.65 ; J17.2 29.92,17.7 ; J17.2 30.88,16.75 ; J17.2 31.83,17.7 ; R64.1 42.42,15.79 ; J15.P4 v1(78.64,20.61) ; 38.47,15.48 J20.1 ; J20.1 37.51,16.43 ; J20.1 38.47,17.38 ; J20.1 39.42,16.43 ; J19.1 34.95,17.41 ; J19.1 34,16.46 ; J19.1 35.91,16.46 ; 36.78,8.18 C40.1 37.41,8.94 ; R42.1 29.27,32.17 28.99,31.89 L3.1 ; 25.16,18.44 R61.1 25.67,18.95
  TOP w0.635: C4.1 59.23,43.28 C5.1 v1(59.49,44.7) ; J6.2 69.83,43.95 69.83,43.95 C57.1 ; R40.1 59.61,33.14 v1(59.77,33.3) ; L3.1 v1(28.99,30.13) ; R75.1 v1(74.68,6.48) ; D12.2 v1(75.63,11.77) ; R32.1 v1(51.04,36.57) ; C58.1 71.23,31.95 71.87,32.59 J199.1 ; C30.1 v1(78.85,25.97) ; C32.1 v1(77.36,26) ; R1.1 v1(71.79,46.1) ; SH1.2 v1(37.01,29.93) ; R9.1 v1(52.09,43.77) ; R15.1 v1(51.02,43.08)
  BOTTOM w0.508: 29.54,1.68 J3.4 ; J3.4 31.34,3.48 ; J3.4 31.34,1.68 ; J3.4 29.54,3.48 ; 34.62,1.68 J3.8 ; J3.8 36.42,3.48 ; J3.8 36.42,1.68 ; J3.8 34.62,3.48 ; 34,16.46 J19.1 35.91,16.46 ; J6.2 70.79,42.75 ; J6.2 69.83,41.79 ; J6.2 68.88,42.75 ; J6.2 69.09,42.01 ; J6.2 70.57,43.48 ; J6.2 69.83,43.7 ; J6.2 69.09,43.48 ; J17.2 31.83,17.7 ; J17.2 30.14,16.96 ; J17.2 29.92,17.7 ; J17.2 31.61,16.96 ; J17.2 30.14,18.44 ; J17.2 30.88,16.75 ; J17.2 30.88,18.65 ; J17.2 31.61,18.44 ; 71.86,31.57 J199.1 ; J199.1 72.88,31.57 ; J199.1 71.86,33.6 ; J199.1 72.88,33.6 ; J199.1 73.9,32.59 ; J199.1 71.86,32.59 ; J199.1 73.9,31.57 ; 37.51,17.38 J20.1 ; J20.1 39.42,16.43 ; J20.1 38.47,17.38 ; J20.1 37.51,15.48 ; J20.1 39.42,17.38 ; J20.1 37.51,16.43 ; J18.2 28.24,18.42 ; J18.2 26.55,17.68 ; J18.2 26.77,16.95 ; J18.2 26.77,18.42 ; J18.2 27.51,18.64
  vias: v1(26.24,17.47) v1(27.5,18.91) v1(32.26,17.77) v1(33.04,18.63) v1(33.54,16.24) v1(36.5,12.06) v1(36.73,9.28) v1(37.95,9.26) v1(39.73,16.01) v1(41.79,15.99)
